# Altium PCB HIVE_BOARD_PCB ASCII REV Project_PCB_Rev.Project_SCH_Rev.PcbDoc (part 5 of 9)
Units mil, origin at the board's own origin, x right, y up, seen from the top; angles counter-clockwise.
Board outline 4330.71 x 4330.71 mil, 8 copper layers (Top, GND_1, Signal_1, GND_2, PWR, Signal_2, GND_3, Bottom), stack 62.994 mil thick; 660 components, 468 nets, 2497 pads, 1806 vias.
Unrouted connection lines stored in the file: 30.
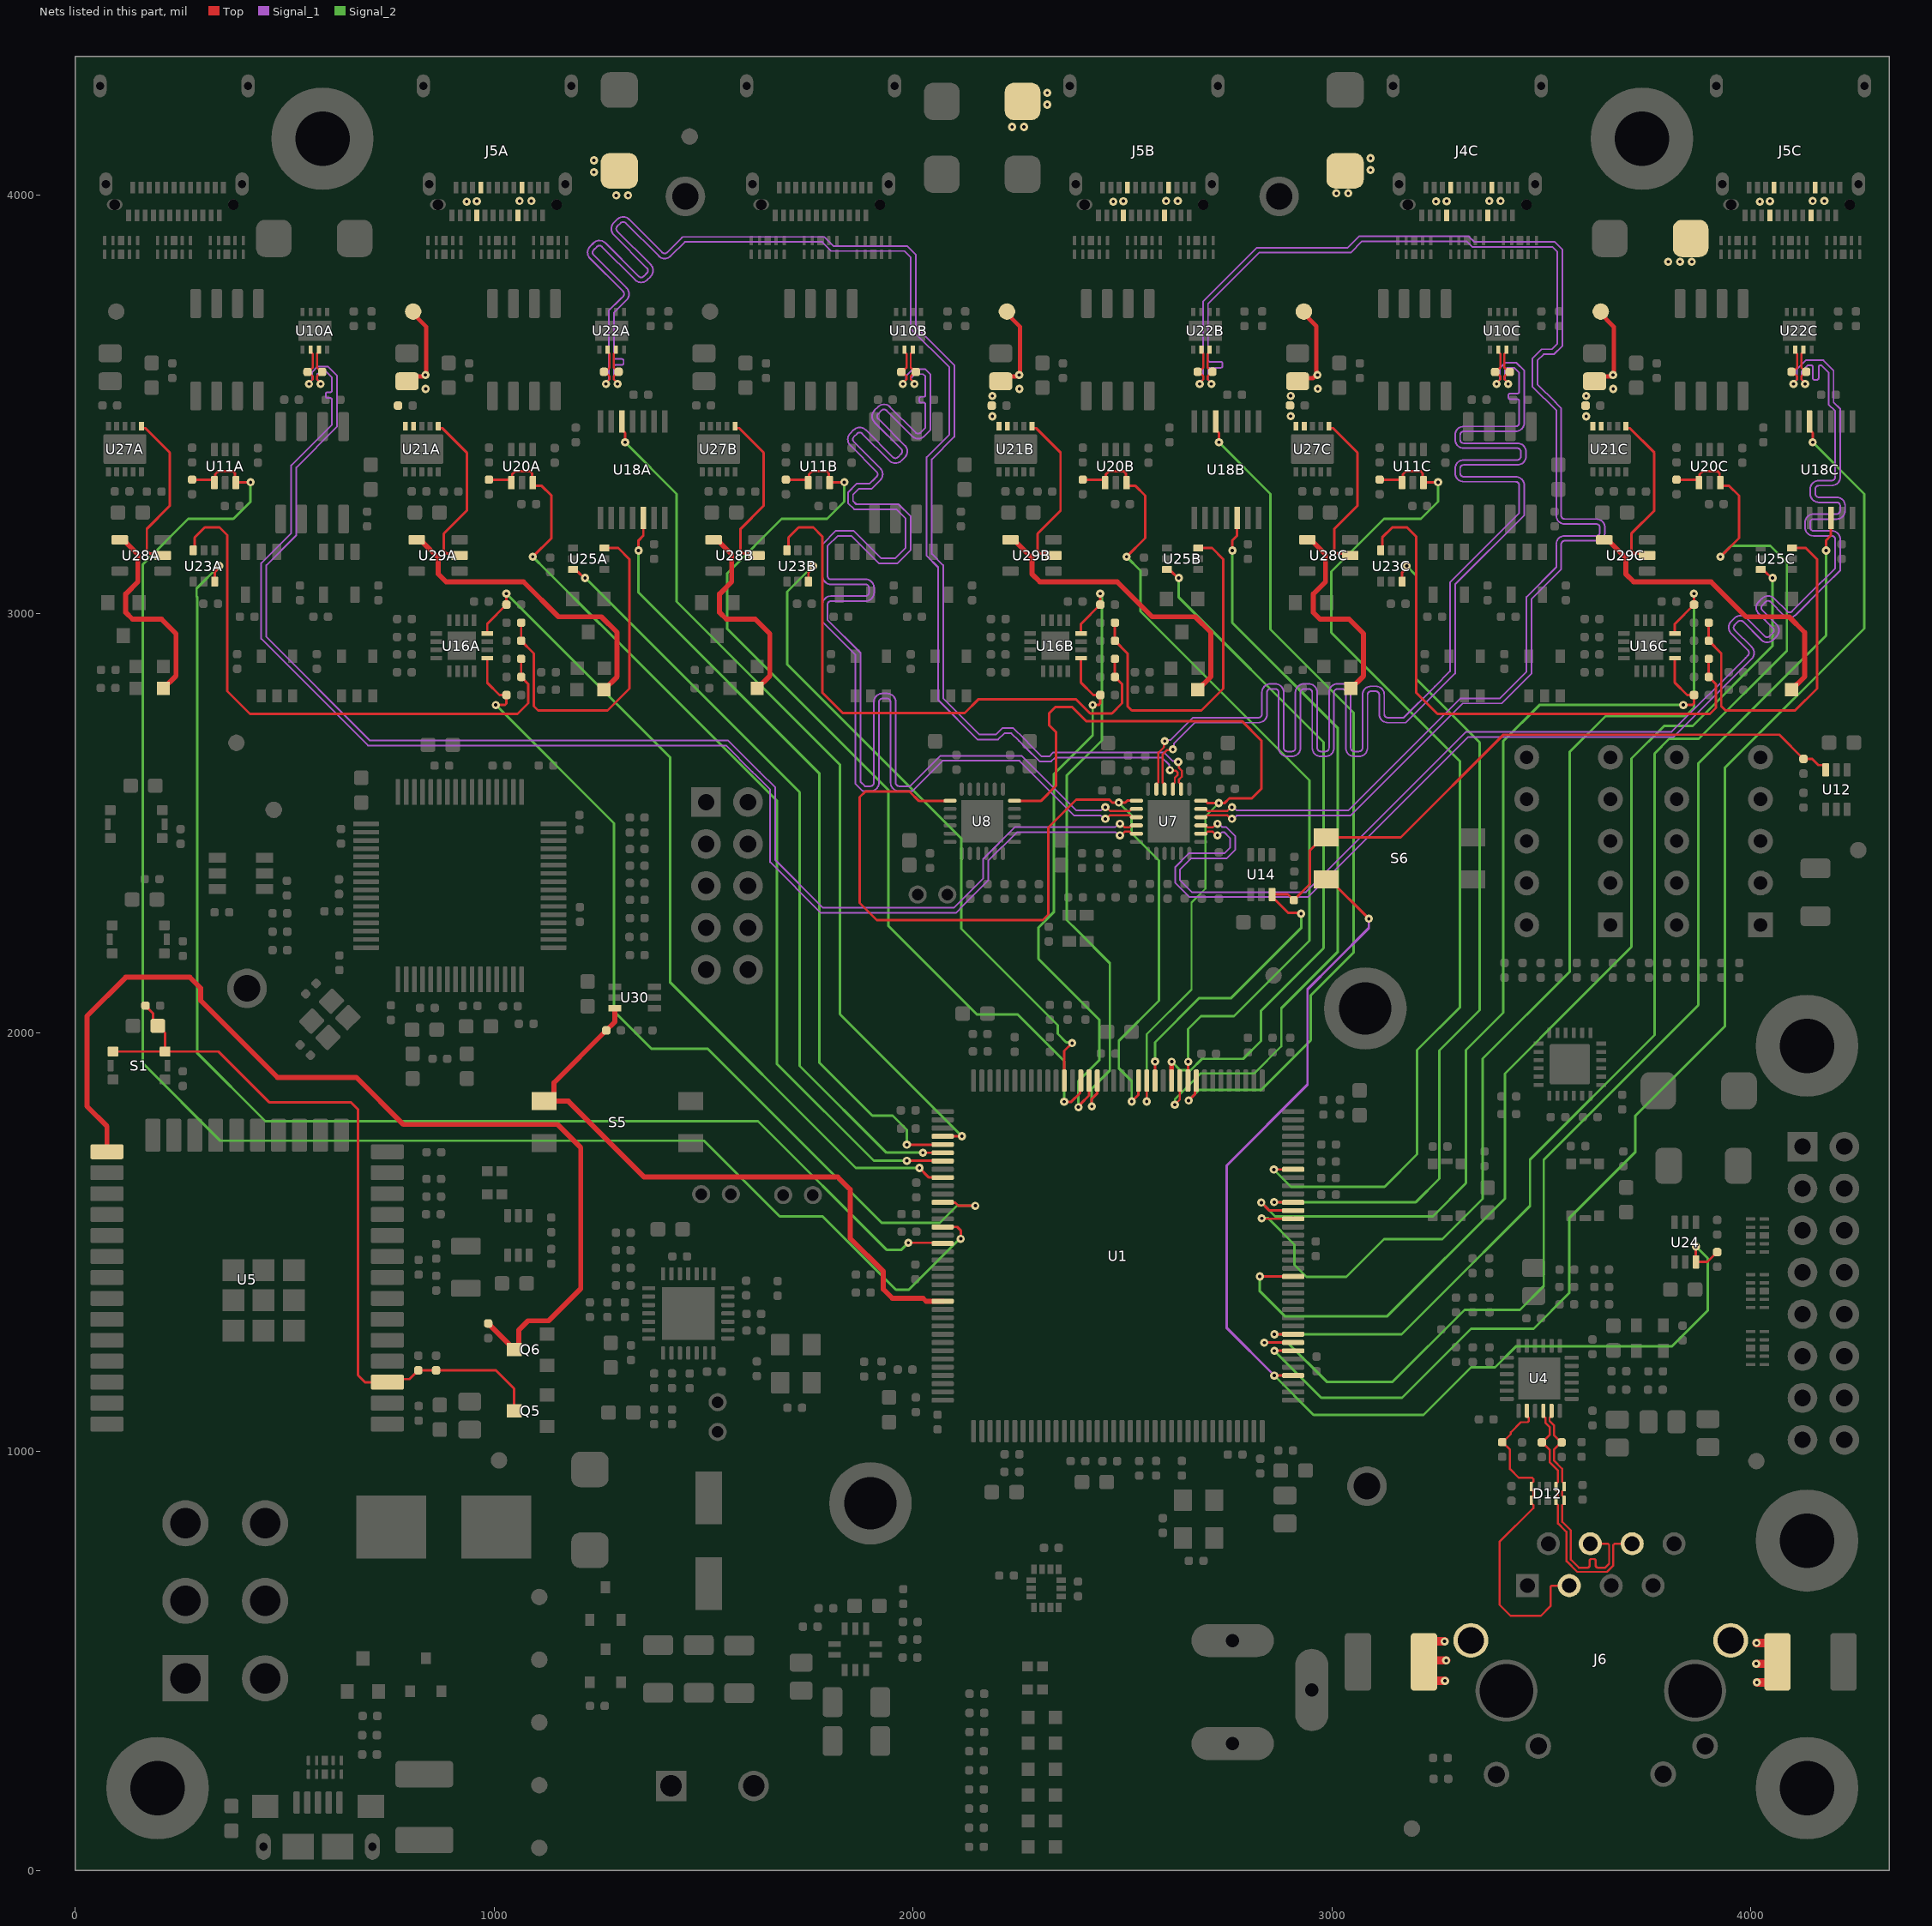
[diagram p11: the nets of this part, all layers, seen from the top]

## Via types
v1: diameter 19.68, hole 7.87, Top to Bottom, tented both sides, 1753 vias
v2: diameter 19.68, hole 7.87, Top to Bottom, 41 vias
v3: diameter 21.65, hole 7.87, Top to Bottom, tented both sides, 7 vias
v4: diameter 19.68, hole 7.87, Top to Bottom, tented bottom, 5 vias

## Nets (pads, with @x,y where several pads share a name; then routed paths per layer and width w, separated by ;. In a path a pad name is that pad's centre, name@x,y a point inside that pad or via, vN(x,y) a via of type N, cw(c..) or ccw(c..) an arc to the next point about the centre after c; other vN are vias at no path point) (continued)
BB_VIN_0C: C141C.2 D11C.1 J4C.A4 J4C.A9 J4C.B4 J4C.B9 R151C.1 TP6C.1 U27C.9 U27C.10 | length 215.3
  Top w10: C141C.2@2918.3,3554.52 2925.86,3562.09 2954.94,3562.09 2963.12,3570.26 2963.12,3686.06 TP6C.1@2929.09,3720.09
  other v1: 2901.68,3471.44 2901.65,3520 2966.2,3536.91 2965.65,3570 3248.62,3984 3273.88,3984.5 3375.62,3985 3402.62,3985 3010.73,4003.42 3038.86,4003.42 3092.17,4058.93 3092.17,4087.07
BB_VIN_1A: C127A.2 D16A.1 J5A.A4 J5A.A9 J5A.B4 J5A.B9 R152A.1 TP7A.1 U21A.9 U21A.10 | length 219.2
  Top w10: C127A.2@792.31,3554.52 804.13,3566.34 830.28,3566.34 833.67,3569.72 838.44,3569.72 838.14,3570.02 838.14,3574.2 838.44,3574.49 838.44,3684.75 TP7A.1@802,3721.19
  other v1: 836.84,3536.63 836.29,3569.72 934.96,3983.59 958.92,3984.5 1061,3985 1089,3985 1291.84,3998.42 1319.97,3998.42 1238.53,4053.93 1238.53,4082.06
BB_VIN_1B: C127B.2 D16B.1 J5B.A4 J5B.A9 J5B.B4 J5B.B9 R152B.1 TP7B.1 U21B.9 U21B.10 | length 219.2
  Top w10: C127B.2@2209.64,3554.52 2221.45,3566.34 2247.61,3566.34 2250.99,3569.72 2255.76,3569.72 2255.47,3570.02 2255.47,3574.2 2255.76,3574.49 2255.76,3684.75 TP7B.1@2219.32,3721.19
  other v1: 2189.65,3471.17 2189.61,3519.72 2254.17,3536.63 2253.61,3569.72 2478.27,3983.6 2502.23,3984.51 2604.31,3985.01 2632.31,3985.01 2236.78,4161.92 2264.91,4161.92 2320.43,4215.23 2320.43,4243.36
BB_VIN_1C: C127C.2 D16C.1 J5C.A4 J5C.A9 J5C.B4 J5C.B9 R152C.1 TP7C.1 U21C.9 U21C.10 | length 219.2
  Top w10: C127C.2@3626.96,3554.52 3638.77,3566.34 3664.93,3566.34 3668.32,3569.72 3673.09,3569.72 3672.79,3570.02 3672.79,3574.2 3673.09,3574.49 3673.09,3684.75 TP7C.1@3636.64,3721.19
  other v1: 3606.97,3471.17 3606.94,3519.72 3671.49,3536.63 3670.94,3569.72 3802.73,3840 3830.87,3840 3859,3840 4021.58,3983.59 4045.54,3984.5 4147.62,3985 4175.62,3985
BOOT_MODE: Q6.3 R92.1 U5.25 | length 2379.9
  Top w12: U5.25@76.06,1715.7 76.06,1776.53 28.5,1824.08 28.5,2039.66 121.04,2132.21 274.1,2132.21 300.01,2106.3 300.01,2076.5 483.21,1893.3 671.14,1893.3 783.53,1780.9 1151.53,1780.9 1207,1725.43 1207,1388.96 1130.2,1312.16 1081.16,1312.16 1058.89,1289.89 Q6.3@1058.89,1253.01 ; R92.1@986.28,1305.77 Q6.3@1036.44,1255.61
CH_CL_PWR_EN: R96.2 R98.2 S6.3 U1.86 U12.3 U14.3 | length 2256.7
  Top w6: U1.86@2577.8,1885.4 2577.9,1885.5 2577.9,1930.9 v1(2578,1931) ; v1(2926.53,2283.98) 2924.47,2286.04 2895.68,2286.04 2864.66,2317.05 2862.17,2317.05 2857.29,2321.93 U14.3@2857.29,2329.8 2895.39,2329.8 R98.2@2909.13,2316.05 2947.45,2354.37 2947.45,2434.97 2978.43,2465.96 S6.3@2986.31,2465.96 3164.2,2465.96 3409.36,2711.12 4067.85,2711.12 R96.2@4125.61,2653.36 4146.43,2653.36 4161.31,2638.49 4173.78,2638.49 4178.66,2633.61 U12.3@4178.66,2627.32
  Signal_2 w6: v1(2578,1931) 2578,1977.16 2683.54,2082.7 2759.6,2082.7 2926.53,2249.63 v1(2926.53,2283.98)
CHAN_DET_0A: R113A.2 U1.120 U16A.13 | length 2181.7
  Top w6: U16A.13@984,2893.94 984,2835.14 1013.3,2805.84 R113A.2@1029.78,2805.84 1029.78,2785.68 1026.26,2782.17 v1(1004.28,2782.17) ; U1.120@2070.91,1595.05 2072.11,1593.85 2101.19,1593.85 2108.33,1586.72 v1(2148.86,1586.72)
  Signal_2 w6: v1(1004.28,2782.17) 1286.42,2500.02 1286.42,2051.07 1375.54,1961.96 1509.42,1961.96 1925.31,1546.07 2064.21,1546.07 2104.85,1586.72 v1(2148.86,1586.72)
CHAN_DET_0B: R113B.2 U1.94 U16B.13 | length 1324.3
  Top w6: v1@2397.59,1821.99 2400.58,1824.99 2400.58,1830.09 2420.32,1849.83 U1.94@2420.32,1885.4 ; U16B.13@2401.32,2893.94 2401.32,2835.14 2430.62,2805.84 R113B.2@2447.1,2805.84 2447.1,2785.68 2443.42,2782 v1(2429,2782)
  Signal_2 w6: v1(2395,1822) 2395,1884.46 2445.34,1934.8 2445.34,2030.13 2299.45,2176.02 2299.45,2250.73 2336.04,2287.33 2336.04,2616.63 2429,2709.59 v1(2429,2782)
CHAN_DET_0C: R113C.2 U1.60 U16C.13 | length 2339.9
  Top w6: v1(2831.62,1594.43) 2850.69,1575.37 U1.60@2907.53,1575.37 ; U16C.13@3818.65,2893.94 3818.65,2835.14 3847.95,2805.84 R113C.2@3864.42,2805.84 3864.42,2785.68 3860.91,2782.17 v1(3838.92,2782.17)
  Signal_2 w6: v1(2831.62,1594.43) 2864.43,1561.62 3240.85,1561.62 3320,1640.77 3320,1958.26 3409.25,2047.51 3409.25,2695.88 3495.37,2781.99 3838.75,2781.99 v1(3838.92,2782.17)
CHAN_DET_1A: R124A.2 U1.117 U16A.16 | length 2047.3
  Top w6: U16A.16@984,2953 984,2975.87 R124A.2@1029.78,3021.65 1029.69,3021.74 1029.69,3047.91 v1(1029.61,3048) ; v1(2015.42,1676.93) 2038.24,1654.11 U1.117@2070.91,1654.11
  Signal_2 w6: v1(1029.61,3048) 1420.15,2657.45 1420.15,2120.47 1863.7,1676.93 v1(2015.42,1676.93)
CHAN_DET_1B: R124B.2 U1.93 U16B.16 | length 1498.7
  Top w6: U16B.16@2401.32,2953 2401.32,2975.87 R124B.2@2447.1,3021.65 2447.01,3021.74 2447.01,3047.91 v1(2446.93,3048) ; v1(2426.89,1823.89) 2426.89,1841.89 2439.47,1854.47 2439.47,1884.87 U1.93@2440.01,1885.4
  Signal_2 w6: v1@2426.78,1826.89 2426.78,1866.46 2469.96,1909.64 2469.96,2165.86 2392.01,2243.82 2367.33,2268.49 2367.33,2614.02 2450.83,2697.52 2450.83,3044.1 v1(2446.93,3048)
CHAN_DET_1C: R124C.2 U1.59 U16C.16 | length 2645.5
  Top w6: v1@2833.72,1555.78 U1.59@2907.43,1555.78 ; U16C.16@3818.65,2953 3818.65,2975.87 R124C.2@3864.42,3021.65 3864.34,3021.74 3864.34,3047.91 v1(3864.25,3048)
  Top w12: v1(2832.65,1556.85) v1@2833.72,1555.78 ; U1.59@2907.43,1555.78 U1.59@2907.53,1555.68
  Signal_2 w6: v1(2832.65,1556.85) 2848.12,1556.85 2910.85,1494.12 2910.85,1445.51 2939.47,1416.89 3034.26,1416.89 3124.57,1507.2 3263.67,1507.2 3360,1603.53 3360,1937.94 3567.99,2145.94 3567.99,2670.62 3653.29,2755.91 3843.94,2755.91 3864.25,2776.23 v1(3864.25,3048)
CHAN_EN_0A: U1.125 U23A.6 | length 3208.7
  Top w6: U23A.6@333.16,3076.43 333.16,3098.85 343.9,3109.59 v1(343.9,3113.83) ; v1(1989.06,1498.38) 2069.16,1498.38 U1.125@2070.91,1496.63
  Signal_2 w6: v1(343.9,3113.83) 290.16,3060.08 290.16,3041.02 291.95,3039.24 291.95,1950.64 454.1,1788.48 1630.27,1788.48 1936.9,1481.86 1972.54,1481.86 v1(1989.06,1498.38)
CHAN_EN_0B: U1.97 U23B.6 | length 1592.4
  Top w6: U23B.6@1750.48,3076.43 1750.48,3098.85 1761.23,3109.59 v1(1761.23,3113.83) ; U1.97@2361.27,1885.4 2361.27,1956.27 v1(2380,1975)
  Signal_2 w6: v1(1761.23,3113.83) 1699.94,3052.54 1699.94,2878.88 2115.18,2463.64 2115.18,2247.96 2345.36,2017.78 2345.36,1997.19 2365.77,1976.78 2378.22,1976.78 v1(2380,1975)
CHAN_EN_0C: U1.61 U23C.6 | length 2079.2
  Top w6: v1(2862.26,1595.49) 2862.48,1595.27 2907.31,1595.27 U1.61@2907.53,1595.05 ; U23C.6@3167.81,3076.43 3167.81,3098.85 3178.55,3109.59 v1(3178.55,3113.83)
  Signal_2 w6: v1(2862.26,1595.49) 3200.59,1595.49 3256.68,1651.58 3256.68,1957.54 3352.86,2053.72 3352.86,2692.61 3201.74,2843.73 3201.74,3090.63 v1(3178.55,3113.83)
CHAN_EN_1A: U1.114 U25A.6 | length 1841.2
  Top w6: U25A.6@1188.99,3105.53 1194.26,3100.26 1199.82,3100.26 1214.81,3085.27 v1(1217.23,3085.27) ; v1(2023.76,1713.49) 2023.93,1713.33 2070.74,1713.33 U1.114@2070.91,1713.16
  Signal_2 w6: v1(1217.23,3085.27) 1218.28,3085.27 1729.68,2573.87 1729.68,1920.79 1936.98,1713.49 v1(2023.76,1713.49)
CHAN_EN_1B: U1.84 U25B.6 | length 1642.1
  Top w6: U25B.6@2606.31,3105.53 2611.58,3100.26 2617.14,3100.26 2632.13,3085.27 v1(2634.55,3085.27)
  Top w12: U1.84@2617.39,1885.62 v1@2617.39,1930.45
  Signal_2 w6: v1(2617.61,1930.67) 2637.79,1910.48 2663.01,1910.48 2689.99,1937.46 2788.13,1937.46 2830.68,1980 2830.68,2052.04 2980.32,2201.68 2980.32,2693.1 2634.55,3038.87 v1(2634.55,3085.27)
CHAN_EN_1C: U1.52 U25C.6 | length 2646.7
  Top w6: v1(2828,1418) U1.52@2891.25,1418.06 ; U25C.6@4023.64,3105.53 4028.9,3100.26 4034.46,3100.26 4049.45,3085.27 v1(4051.87,3085.27)
  Signal_2 w6: v1(2828,1418) 2828,1382.67 2887.36,1323.31 3132.31,1323.31 3412.83,1603.83 3412.83,1902.31 3580.44,2069.93 3715.19,2204.68 3715.19,2654.22 3793.23,2732.26 3861.1,2732.26 4051.87,2923.03 v1(4051.87,3085.27)
CHAN_FLAG_0A: U27A.6 U28A.2 | length 395.8
  Top w6: U27A.6@158.37,3447.53 158.37,3442.99 158.46,3442.9 167.78,3442.9 226.3,3384.38 226.3,3257.5 171.34,3202.54 171.34,3150.85 178.37,3143.82 204.35,3143.82 U28A.2@209.18,3139
CHAN_FLAG_0B: U27B.6 U28B.2 | length 395.8
  Top w6: U27B.6@1575.69,3447.53 1575.69,3442.99 1575.79,3442.9 1585.11,3442.9 1643.62,3384.38 1643.62,3257.5 1588.66,3202.54 1588.66,3150.85 1595.69,3143.82 1621.68,3143.82 U28B.2@1626.5,3139
CHAN_FLAG_0C: U27C.6 U28C.2 | length 395.8
  Top w6: U27C.6@2993.02,3447.53 2993.02,3442.99 2993.11,3442.9 3002.43,3442.9 3060.94,3384.38 3060.94,3257.5 3005.98,3202.54 3005.98,3150.85 3013.01,3143.82 3039,3143.82 U28C.2@3043.83,3139
CHAN_FLAG_1A: U21A.6 U29A.2 | length 395.8
  Top w6: U21A.6@867.03,3447.53 867.03,3442.99 867.13,3442.9 876.44,3442.9 934.96,3384.38 934.96,3280.05 934.96,3246.03 880,3191.07 880,3150.85 887.03,3143.82 913.01,3143.82 U29A.2@917.84,3139
CHAN_FLAG_1B: U21B.6 U29B.2 | length 395.8
  Top w6: U21B.6@2284.35,3447.53 2284.35,3442.99 2284.45,3442.9 2293.77,3442.9 2352.28,3384.38 2352.28,3280.05 2352.28,3246.03 2297.32,3191.07 2297.32,3150.85 2304.35,3143.82 2330.34,3143.82 U29B.2@2335.16,3139
CHAN_FLAG_1C: U21C.6 U29C.2 | length 395.8
  Top w6: U21C.6@3701.68,3447.53 3701.68,3442.99 3701.77,3442.9 3711.09,3442.9 3769.6,3384.38 3769.6,3280.05 3769.6,3246.03 3714.65,3191.07 3714.65,3150.85 3721.68,3143.82 3747.66,3143.82 U29C.2@3752.49,3139
CHAN_FLT#_0A: D14A.K U28A.4 | length 492.8
  Top w12: U28A.4@106.82,3176.4 115.68,3176.4 121.5,3170.57 121.5,3170.01 150,3141.51 150,3076 121.06,3047.06 121.06,3002.94 137,2987 206.34,2987 241,2952.35 241,2851.66 D14A.K@210.83,2821.5
CHAN_FLT#_0B: D14B.K U28B.4 | length 492.8
  Top w12: U28B.4@1524.14,3176.4 1533,3176.4 1538.83,3170.57 1538.83,3170.01 1567.32,3141.51 1567.32,3076 1538.38,3047.06 1538.38,3002.94 1554.32,2987 1623.67,2987 1658.32,2952.35 1658.32,2851.66 D14B.K@1628.16,2821.5
CHAN_FLT#_0C: D14C.K U28C.4 | length 492.8
  Top w12: U28C.4@2941.46,3176.4 2950.32,3176.4 2956.15,3170.57 2956.15,3170.01 2984.65,3141.51 2984.65,3076 2955.7,3047.06 2955.7,3002.94 2971.64,2987 3040.99,2987 3075.65,2952.35 3075.65,2851.66 D14C.K@3045.48,2821.5
CHAN_FLT#_1A: D20A.K U29A.4 | length 742.5
  Top w12: U29A.4@815.48,3176.4 824.34,3176.4 829.16,3171.57 829.16,3170.84 866.66,3133.34 866.66,3095.03 885.69,3076 1070.35,3076 1153.6,2992.75 1256.43,2992.75 1293.8,2955.39 1293.8,2849.55 D20A.K@1262.71,2818.46
CHAN_FLT#_1B: D20B.K U29B.4 | length 742.5
  Top w12: U29B.4@2232.8,3176.4 2241.66,3176.4 2246.49,3171.57 2246.49,3170.84 2283.98,3133.34 2283.98,3095.03 2303.01,3076 2487.68,3076 2570.92,2992.75 2673.75,2992.75 2711.12,2955.39 2711.12,2849.55 D20B.K@2680.03,2818.46
CHAN_FLT#_1C: D20C.K U29C.4 | length 742.5
  Top w12: U29C.4@3650.12,3176.4 3658.98,3176.4 3663.81,3171.57 3663.81,3170.84 3701.3,3133.34 3701.3,3095.03 3720.34,3076 3905,3076 3988.25,2992.75 4091.08,2992.75 4128.44,2955.39 4128.44,2849.55 D20C.K@4097.36,2818.46
CHAN_IRQ_0A: R93A.2 U1.123 U11A.4 U11A.6 | length 4041.4
  Top w6: R93A.2@279.32,3320.02 330.87,3320.02 332.74,3318.15 U11A.4@332.74,3312.82 334.62,3314.69 334.62,3332.79 342.21,3340.38 376.89,3340.38 382.05,3335.22 382.05,3314.69 U11A.6@383.92,3312.82 383.92,3313.65 v1(418.89,3313.65) ; U1.123@2070.91,1536 2071.21,1536.3 2105.6,1536.3 2114,1527.9 v1(2114,1508)
  Signal_2 w6: v1(418.89,3313.65) 418.89,3267.16 377.94,3226.22 270.33,3226.22 161.99,3117.88 161.99,1926.51 346.43,1742.07 1501.24,1742.07 1682.08,1561.24 1784.4,1561.24 1959.45,1386.19 1989.96,1386.19 2111.77,1508 v1(2114,1508)
CHAN_IRQ_0B: R93B.2 U1.95 U11B.4 U11B.6 | length 2316.8
  Top w6: R93B.2@1696.65,3320.02 1748.19,3320.02 1750.07,3318.15 U11B.4@1750.07,3312.82 1751.94,3314.69 1751.94,3332.79 1759.53,3340.38 1794.22,3340.38 1799.37,3335.22 1799.37,3314.69 U11B.6@1801.25,3312.82 1801.25,3313.65 v1(1836.21,3313.65) ; v1(2361,1835) 2378,1835 2398.78,1855.78 2398.78,1883.55 U1.95@2400.64,1885.4
  Signal_2 w6: v1(1836.21,3313.65) 1836.21,3267.16 1795.27,3226.22 1686.77,3226.22 1556.9,3096.34 1556.9,2963.68 1941.36,2579.22 1941.36,2254.62 2152.24,2043.73 2249.67,2043.73 2361,1932.4 v1(2361,1835)
CHAN_IRQ_0C: R93C.2 U1.65 U11C.4 U11C.6 | length 2560.5
  Top w6: v1(2861.39,1673.21) 2861.68,1673.5 2907.23,1673.5 U1.65@2907.53,1673.79 ; R93C.2@3113.97,3320.02 3165.51,3320.02 3167.39,3318.15 U11C.4@3167.39,3312.82 3169.26,3314.69 3169.26,3332.79 3176.85,3340.38 3211.54,3340.38 3216.7,3335.22 3216.7,3314.69 U11C.6@3218.57,3312.82 3218.57,3313.65 v1(3253.53,3313.65)
  Signal_2 w6: v1(2861.39,1673.21) 2902.32,1632.27 3125.81,1632.27 3203.44,1709.9 3203.44,1958.44 3306.02,2061.02 3306.02,2647.43 2998.48,2954.98 2998.48,3100.38 3124.31,3226.22 3212.59,3226.22 3253.53,3267.16 v1(3253.53,3313.65)
CHAN_IRQ_1A: R112A.2 U1.115 U20A.4 U20A.6 | length 2316.9
  Top w6: R112A.2@987.99,3320.02 1039.53,3320.02 U20A.4@1041.4,3318.15 ; U20A.4@1041.4,3312.82 1043.28,3314.69 U20A.4@1043.28,3318.15 ; U20A.4@1043.28,3320.02 1043.28,3332.79 1050.87,3340.38 1085.56,3340.38 1090.71,3335.22 1090.71,3314.69 U20A.6@1092.58,3312.82 1092.58,3309.79 1097.46,3304.91 1113.92,3304.91 1137.32,3281.52 1137.32,3180.61 v1(1092.58,3135.88) ; v1(1985.31,1694.13) 1985.93,1694.75 2069.63,1694.75 U1.115@2070.91,1693.48
  Signal_2 w6: v1(1092.58,3135.88) 1125.98,3102.49 1253.13,2975.33 1253.65,2975.33 1674.93,2554.06 1674.93,1925.82 1906.61,1694.13 v1(1985.31,1694.13)
CHAN_IRQ_1B: R112B.2 U1.82 U20B.4 U20B.6 | length 1969.4
  Top w6: R112B.2@2405.31,3320.02 2456.85,3320.02 U20B.4@2458.73,3318.15 ; U20B.4@2458.73,3312.82 2460.6,3314.69 U20B.4@2460.6,3318.15 ; U20B.4@2460.6,3320.02 2460.6,3332.79 2468.19,3340.38 2502.88,3340.38 2508.03,3335.22 2508.03,3314.69 U20B.6@2509.91,3312.82 2509.91,3309.79 2514.78,3304.91 2531.24,3304.91 2554.64,3281.52 2554.64,3180.61 v1(2509.91,3135.88) ; U1.82@2656.76,1885.62 v1@2656.76,1930.45
  Signal_2 w6: v1(2509.91,3135.88) 2543.3,3102.49 2543.3,3005.36 2946.4,2602.26 2946.4,2219.18 2766.44,2039.21 2687.71,2039.21 2656.98,2008.49 v1(2656.98,1930.67)
CHAN_IRQ_1C: R112C.2 U1.45 U20C.4 U20C.6 | length 3171.8
  Top w6: v1@2862.71,1280.09 U1.45@2907.53,1280.09 ; R112C.2@3822.63,3320.02 3874.18,3320.02 U20C.4@3876.05,3318.15 ; U20C.4@3876.05,3312.82 3877.92,3314.69 U20C.4@3877.92,3318.15 ; U20C.4@3877.92,3320.02 3877.92,3332.79 3885.51,3340.38 3920.2,3340.38 3925.36,3335.22 3925.36,3314.69 U20C.6@3927.23,3312.82 3927.23,3309.79 3932.1,3304.91 3948.57,3304.91 3971.96,3281.52 3971.96,3180.61 v1(3927.23,3135.88)
  Signal_2 w6: v1(2862.59,1279.96) 3166.52,1279.96 3249.28,1362.72 3472.99,1586.44 3472.99,1697.01 3770,1994.02 3770,2666.09 3805.28,2701.37 3875.84,2701.37 4085.97,2911.5 4085.97,3122.54 4046.77,3161.75 3953.1,3161.75 v1(3927.23,3135.88)
CHAN_OV_0A: R105A.2 R111A.2 U23A.3 | length 1364.5
  Top w6: U23A.3@281.98,3151.23 285.43,3154.68 285.43,3181.74 309.75,3206.06 344.69,3206.06 363,3187.76 363,2815.12 417.37,2760.74 1055.94,2760.74 1081.84,2786.65 1081.84,2815.16 1081.73,2815.27 1081.73,2832.13 R111A.2@1064.85,2849 R105A.2@1064.85,2892.16
CHAN_OV_0B: R105B.2 R111B.2 U23B.3 | length 1390.4
  Top w6: U23B.3@1699.3,3151.23 1702.75,3154.68 1702.75,3181.74 1727.07,3206.06 1762.01,3206.06 1783.46,3184.62 1783.46,2811.98 1832.44,2763 2123.44,2763 2155.64,2795.2 2389.8,2795.2 2423,2762 2475.01,2762 2499.17,2786.16 2499.17,2815.16 2499.05,2815.27 2499.05,2832.13 R111B.2@2482.18,2849 R105B.2@2482.18,2892.16
CHAN_OV_0C: R105C.2 R111C.2 U23C.3 | length 1371.3
  Top w6: U23C.3@3116.62,3151.23 3120.07,3154.68 3120.07,3181.74 3144.39,3206.06 3179.34,3206.06 3200.78,3184.62 3200.78,2811.98 3252.02,2760.74 3902.21,2760.74 3916.49,2775.02 3916.49,2815.16 3916.37,2815.27 3916.37,2832.13 R111C.2@3899.5,2849 R105C.2@3899.5,2892.16
CHAN_OV_1A: R101A.2 R102A.2 U25A.3 | length 845.4
  Top w6: R101A.2@1064.85,2978.49 R102A.2@1064.85,2935.32 1094.8,2905.38 1094.8,2779.2 1105,2769 1270.94,2769 1323.37,2821.43 1323.37,3129.9 1296.56,3156.71 U25A.3@1263.79,3156.71
CHAN_OV_1B: R101B.2 R102B.2 U25B.3 | length 845.4
  Top w6: R101B.2@2482.18,2978.49 R102B.2@2482.18,2935.32 2512.12,2905.38 2512.12,2779.2 2522.32,2769 2688.26,2769 2740.7,2821.43 2740.7,3129.9 2713.88,3156.71 U25B.3@2681.12,3156.71
CHAN_OV_1C: R101C.2 R102C.2 U25C.3 | length 845.4
  Top w6: R101C.2@3899.5,2978.49 R102C.2@3899.5,2935.32 3929.45,2905.38 3929.45,2779.2 3939.65,2769 4105.59,2769 4158.02,2821.43 4158.02,3129.9 4131.2,3156.71 U25C.3@4098.44,3156.71
CHAN_RESET_0A: U1.113 U18A.5 | length 1879.8
  Top w6: v1(1345.03,3150.83) 1345.03,3174.94 1356.49,3186.39 U18A.5@1356.49,3228.34 ; v1(1985.31,1732.58) 1985.44,1732.71 2070.78,1732.71 U1.113@2070.91,1732.85
  Signal_2 w6: v1(1345.03,3150.83) 1345.03,3050.36 1776.24,2619.15 1776.24,1928.59 1903.19,1801.63 1951.65,1801.63 1985.16,1768.12 1985.16,1732.73 v1(1985.31,1732.58)
CHAN_RESET_0B: U1.83 U18B.5 | length 1807.9
  Top w5: v1(2625,1828) 2636.86,1839.86 U1.83@2636.86,1885.4
  Top w6: v1(2762.36,3150.83) 2762.36,3174.94 2773.81,3186.39 U18B.5@2773.81,3228.34
  Signal_2 w5: v1(2625,1828) 2625.73,1828.73 2625.73,1841.8 2686.34,1902.41 2814.28,1902.41 2879.36,1967.48
  Signal_2 w6: v1(2762.36,3150.83) 2762.36,2978.44 3014.26,2726.53 3014.26,2193.32 2879.36,2058.41 2879.36,1967.48
CHAN_RESET_0C: U1.44 U18C.5 | length 2986
  Top w6: v1@2838.87,1260.24 U1.44@2907.53,1260.24 ; v1(4179.68,3150.83) 4179.68,3174.94 4191.14,3186.39 U18C.5@4191.14,3228.34
  Signal_2 w6: v1(2838.74,1260.12) 2894.42,1260.12 2987.82,1166.72 3144.94,1166.72 3316.58,1338.36 3448.91,1338.36 3505.69,1395.14 3505.69,1696.69 3874.61,2065.61 3874.61,2642.64 4179.68,2947.72 v1(4179.68,3150.83)
CHAN_RESET_1A: U1.112 U18A.12 | length 2088.2
  Top w6: U18A.12@1305.31,3458.65 1305.31,3438.97 1309.2,3435.08 1309.49,3435.08 1313,3431.56 v1(1313,3409.22) ; U1.112@2070.91,1752.53 2071.01,1752.63 2116.74,1752.63 v1(2116.84,1752.73)
  Signal_2 w6: v1(1313,3409.22) 1436.1,3286.12 1436.1,3028.98 1825.52,2639.56 1825.52,2044.06 v1(2116.84,1752.73)
CHAN_RESET_1B: U1.81 U18B.12 | length 2062.3
  Top w6: v1(2658,1838) 2673.54,1853.54 2673.54,1882.72 U1.81@2676.45,1885.62 ; U18B.12@2722.63,3458.65 2722.63,3438.97 2726.52,3435.08 2726.81,3435.08 2730.32,3431.56 v1(2730.32,3409.22)
  Signal_2 w6: v1(2658,1838) 2683.12,1863.12 2831.1,1863.12 2949.6,1981.62 2949.6,2089.03 3051.83,2191.26 3051.83,2763.87 2853.42,2962.28 2853.42,3286.12 v1(2730.32,3409.22)
CHAN_RESET_1C: U1.43 U18C.12 | length 3324.9
  Top w6: v1@2862.71,1240.72 U1.43@2907.53,1240.72 ; U18C.12@4139.95,3458.65 4139.95,3438.97 4143.84,3435.08 4144.13,3435.08 4147.65,3431.56 v1(4147.65,3409.22)
  Signal_2 w6: v1(2862.59,1240.59) 2974.62,1128.56 3167.47,1128.56 3332.32,1293.41 3481.46,1293.41 3566.17,1378.12 3566.17,1556.91 3724.53,1715.28 3724.53,1801.75 3937.79,2015 3937.79,2631.6 4270.74,2964.56 4270.74,3286.12 v1(4147.65,3409.22)